# EAGLE board Mk4 Final Panel 8up 2x4 (EAGLE 9.0.1), part 22 of 23 (continued)
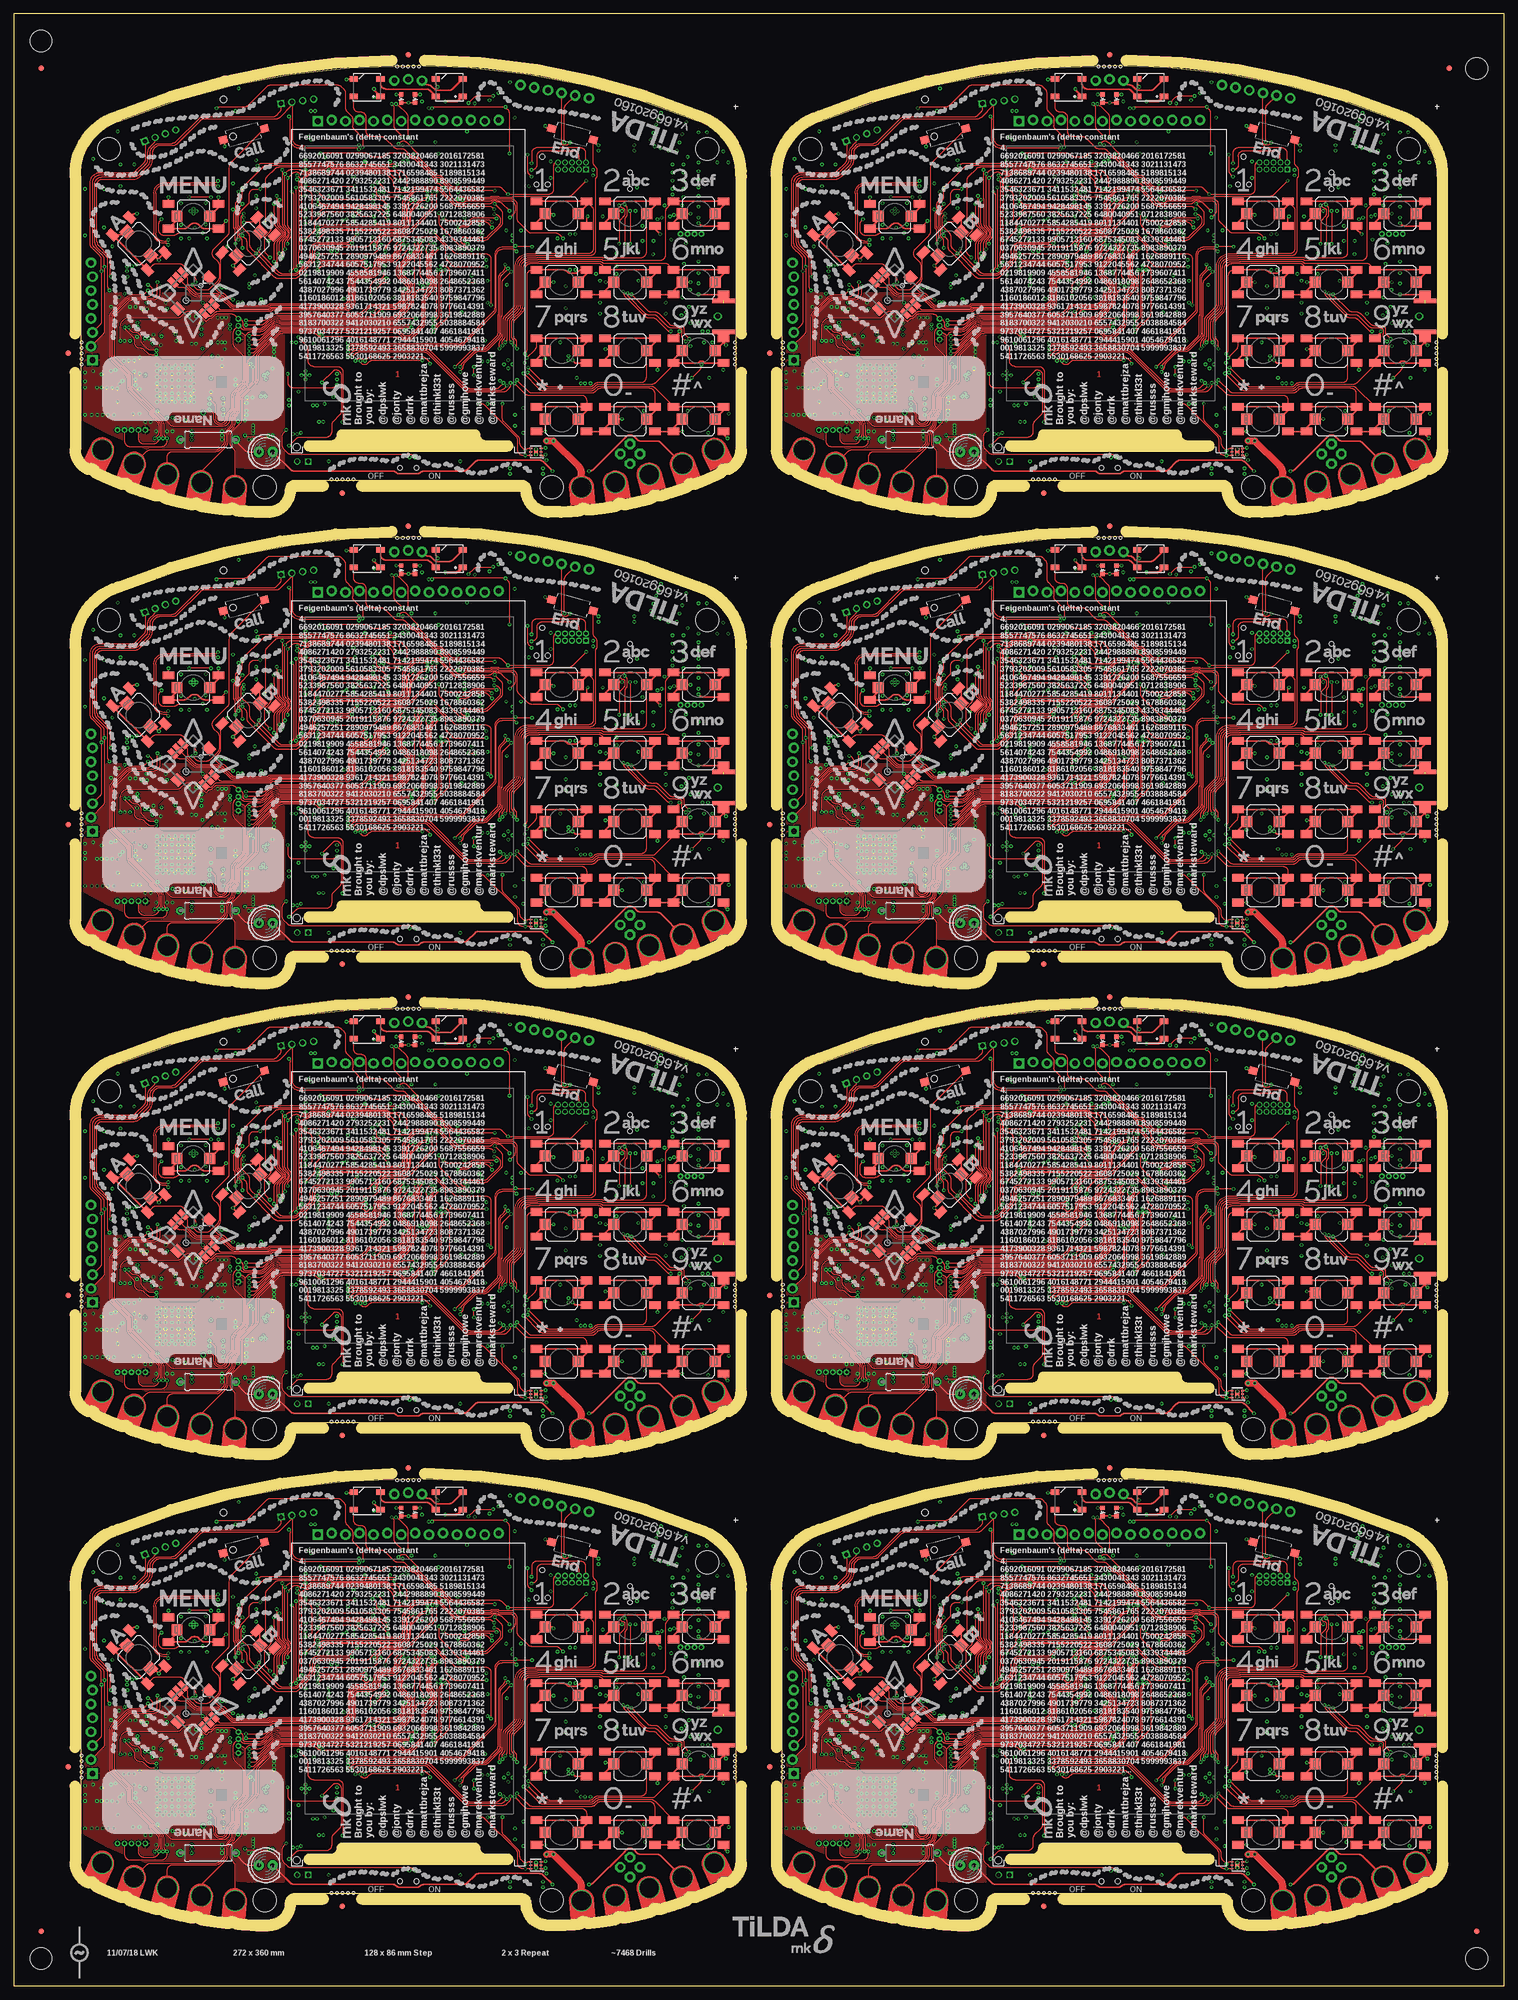
[diagram p0: board, top side]
## Tracks (layer width: path | path; a pad name or v marks a point on that pad's centre or on a via) (continued)
USB_SHIELD6
  Bottom 0.3: U19.SHIELD@5 86.1,345.91 arc45 86.39,346.61 U19.SHIELD@2 | U19.SHIELD@2 83.84,347.72 U19.SHIELD@1 81.59,347.91 81.41,348.09 U19.SHIELD@0 80.96,348.28 U19.SHIELD@3 79.12,347.57 U19.SHIELD | R481.1 88.62,348.5 C670.2 87.04,348.38 U19.SHIELD@2
USB_SHIELD7
  Bottom 0.3: U22.SHIELD@5 214.1,345.91 arc45 214.39,346.61 U22.SHIELD@2 | U22.SHIELD@2 211.84,347.72 U22.SHIELD@1 209.59,347.91 209.41,348.09 U22.SHIELD@0 208.96,348.28 U22.SHIELD@3 207.12,347.57 U22.SHIELD | R559.1 216.62,348.5 C778.2 215.04,348.38 U22.SHIELD@2
V_UNREG  (via drill 0.3)
  Top 0.2: v60,27.45 v60,27.44 60.08,27.52 60.08,36.6 arc90 59.08,37.6 54.75,37.6 arc-90 53.75,38.6 53.75,40.74 arc45 53.46,41.44 v51.95,42.95
  Top 1.25: 103.62,17.38 103.62,18.05 arc45 103.03,19.47 v98.5,24 v97.25,24
  Top 1.5: PCB.VBATT 103.62,17.38
  3V3@2 1.25: v55.7,27.5 v56.5,27.5 56.55,27.45 v60,27.45 85,27.45 87.25,25.2 91.55,25.2 92.75,24 v97.25,24 v98.5,24
  Bottom 0.2: 53.5,33.45 IC8.15 53.5,33 | IC8.16 53,33 | R18.2 arc90 53.05,43.2 52.55,43.2 arc45 v51.95,42.95
  Bottom 0.4: TP18.TP v56.5,27.5
  pour Bottom (no thermals): 47.5,31 47.5,30 arc90 48,29.5 49,29.5 arc-90 49.5,29 49.5,27.5 53,27.5 53.35,27.15 arc45 53.71,27 56.5,27 arc90 57,27.5 arc90 56.5,28 54.12,28 arc-48 53.75,28.17 53.13,28.86 arc-42 53,29.19 53,29.29 arc-45 53.15,29.65 53.4,29.9 arc45 53.55,30.26 53.55,33.45 53.5,33.5 53,33.5 52.7,33.2 52.7,30.45 52.15,29.9 arc-45 51.79,29.75 50.21,29.75 arc-45 49.85,29.9 49.5,30.25 49.5,31
V_UNREG1  (via drill 0.3)
  Top 0.2: v188,27.45 v188,27.44 188.07,27.52 188.07,36.6 arc90 187.07,37.6 182.75,37.6 arc-90 181.75,38.6 181.75,40.74 arc45 181.46,41.44 v179.95,42.95
  Top 1.25: 231.62,17.38 231.62,18.05 arc45 231.03,19.47 v226.5,24 v225.25,24
  Top 1.5: PCB1.VBATT 231.62,17.38
  3V3@2 1.25: v183.7,27.5 v184.5,27.5 184.55,27.45 v188,27.45 213,27.45 215.25,25.2 219.55,25.2 220.75,24 v225.25,24 v226.5,24
  Bottom 0.2: 181.5,33.45 IC24.15 181.5,33 | IC24.16 181,33 | R100.2 arc90 181.05,43.2 180.55,43.2 arc45 v179.95,42.95
  Bottom 0.4: TP37.TP v184.5,27.5
  pour Bottom (no thermals): 175.5,31 175.5,30 arc90 176,29.5 177,29.5 arc-90 177.5,29 177.5,27.5 181,27.5 181.35,27.15 arc45 181.71,27 184.5,27 arc90 185,27.5 arc90 184.5,28 182.12,28 arc-48 181.75,28.17 181.13,28.86 arc-42 181,29.19 181,29.29 arc-45 181.15,29.65 181.4,29.9 arc45 181.55,30.26 181.55,33.45 181.5,33.5 181,33.5 180.7,33.2 180.7,30.45 180.15,29.9 arc-45 179.79,29.75 178.21,29.75 arc-45 177.85,29.9 177.5,30.25 177.5,31
V_UNREG2  (via drill 0.3)
  Top 0.2: v60,113.45 v60,113.44 60.08,113.52 60.08,122.6 arc90 59.08,123.6 54.75,123.6 arc-90 53.75,124.6 53.75,126.74 arc45 53.46,127.44 v51.95,128.95
  Top 1.25: 103.62,103.38 103.62,104.06 arc45 103.03,105.47 v98.5,110 v97.25,110
  Top 1.5: PCB2.VBATT 103.62,103.38
  3V3@2 1.25: v55.7,113.5 v56.5,113.5 56.55,113.45 v60,113.45 85,113.45 87.25,111.2 91.55,111.2 92.75,110 v97.25,110 v98.5,110
  Bottom 0.2: 53.5,119.45 IC42.15 53.5,119 | IC42.16 53,119 | R178.2 arc90 53.05,129.2 52.55,129.2 arc45 v51.95,128.95
  Bottom 0.4: TP56.TP v56.5,113.5
  pour Bottom (no thermals): 47.5,117 47.5,116 arc90 48,115.5 49,115.5 arc-90 49.5,115 49.5,113.5 53,113.5 53.35,113.15 arc45 53.71,113 56.5,113 arc90 57,113.5 arc90 56.5,114 54.12,114 arc-48 53.75,114.17 53.13,114.86 arc-42 53,115.19 53,115.29 arc-45 53.15,115.65 53.4,115.9 arc45 53.55,116.26 53.55,119.45 53.5,119.5 53,119.5 52.7,119.2 52.7,116.45 52.15,115.9 arc-45 51.79,115.75 50.21,115.75 arc-45 49.85,115.9 49.5,116.25 49.5,117
V_UNREG3  (via drill 0.3)
  Top 0.2: v188,113.45 v188,113.44 188.07,113.52 188.07,122.6 arc90 187.07,123.6 182.75,123.6 arc-90 181.75,124.6 181.75,126.74 arc45 181.46,127.44 v179.95,128.95
  Top 1.25: 231.62,103.38 231.62,104.06 arc45 231.03,105.47 v226.5,110 v225.25,110
  Top 1.5: PCB3.VBATT 231.62,103.38
  3V3@2 1.25: v183.7,113.5 v184.5,113.5 184.55,113.45 v188,113.45 213,113.45 215.25,111.2 219.55,111.2 220.75,110 v225.25,110 v226.5,110
  Bottom 0.2: 181.5,119.45 IC60.15 181.5,119 | IC60.16 181,119 | R256.2 arc90 181.05,129.2 180.55,129.2 arc45 v179.95,128.95
  Bottom 0.4: TP75.TP v184.5,113.5
  pour Bottom (no thermals): 175.5,117 175.5,116 arc90 176,115.5 177,115.5 arc-90 177.5,115 177.5,113.5 181,113.5 181.35,113.15 arc45 181.71,113 184.5,113 arc90 185,113.5 arc90 184.5,114 182.12,114 arc-48 181.75,114.17 181.13,114.86 arc-42 181,115.19 181,115.29 arc-45 181.15,115.65 181.4,115.9 arc45 181.55,116.26 181.55,119.45 181.5,119.5 181,119.5 180.7,119.2 180.7,116.45 180.15,115.9 arc-45 179.79,115.75 178.21,115.75 arc-45 177.85,115.9 177.5,116.25 177.5,117
V_UNREG4  (via drill 0.3)
  Top 0.2: v60,199.45 v60,199.44 60.08,199.51 60.08,208.6 arc90 59.08,209.6 54.75,209.6 arc-90 53.75,210.6 53.75,212.74 arc45 53.46,213.44 v51.95,214.95
  Top 1.25: 103.62,189.38 103.62,190.06 arc45 103.03,191.47 v98.5,196 v97.25,196
  Top 1.5: PCB4.VBATT 103.62,189.38
  3V3@2 1.25: v55.7,199.5 v56.5,199.5 56.55,199.45 v60,199.45 85,199.45 87.25,197.2 91.55,197.2 92.75,196 v97.25,196 v98.5,196
  Bottom 0.2: 53.5,205.45 IC78.15 53.5,205 | IC78.16 53,205 | R334.2 arc90 53.05,215.2 52.55,215.2 arc45 v51.95,214.95
  Bottom 0.4: TP94.TP v56.5,199.5
  pour Bottom (no thermals): 47.5,203 47.5,202 arc90 48,201.5 49,201.5 arc-90 49.5,201 49.5,199.5 53,199.5 53.35,199.15 arc45 53.71,199 56.5,199 arc90 57,199.5 arc90 56.5,200 54.12,200 arc-48 53.75,200.17 53.13,200.86 arc-42 53,201.19 53,201.29 arc-45 53.15,201.65 53.4,201.9 arc45 53.55,202.26 53.55,205.45 53.5,205.5 53,205.5 52.7,205.2 52.7,202.45 52.15,201.9 arc-45 51.79,201.75 50.21,201.75 arc-45 49.85,201.9 49.5,202.25 49.5,203
V_UNREG5  (via drill 0.3)
  Top 0.2: v188,199.45 v188,199.44 188.07,199.51 188.07,208.6 arc90 187.07,209.6 182.75,209.6 arc-90 181.75,210.6 181.75,212.74 arc45 181.46,213.44 v179.95,214.95
  Top 1.25: 231.62,189.38 231.62,190.06 arc45 231.03,191.47 v226.5,196 v225.25,196
  Top 1.5: PCB5.VBATT 231.62,189.38
  3V3@2 1.25: v183.7,199.5 v184.5,199.5 184.55,199.45 v188,199.45 213,199.45 215.25,197.2 219.55,197.2 220.75,196 v225.25,196 v226.5,196
  Bottom 0.2: 181.5,205.45 IC96.15 181.5,205 | IC96.16 181,205 | R412.2 arc90 181.05,215.2 180.55,215.2 arc45 v179.95,214.95
  Bottom 0.4: TP113.TP v184.5,199.5
  pour Bottom (no thermals): 175.5,203 175.5,202 arc90 176,201.5 177,201.5 arc-90 177.5,201 177.5,199.5 181,199.5 181.35,199.15 arc45 181.71,199 184.5,199 arc90 185,199.5 arc90 184.5,200 182.12,200 arc-48 181.75,200.17 181.13,200.86 arc-42 181,201.19 181,201.29 arc-45 181.15,201.65 181.4,201.9 arc45 181.55,202.26 181.55,205.45 181.5,205.5 181,205.5 180.7,205.2 180.7,202.45 180.15,201.9 arc-45 179.79,201.75 178.21,201.75 arc-45 177.85,201.9 177.5,202.25 177.5,203
V_UNREG6  (via drill 0.3)
  Top 0.2: v60,285.45 v60,285.44 60.08,285.51 60.08,294.6 arc90 59.08,295.6 54.75,295.6 arc-90 53.75,296.6 53.75,298.74 arc45 53.46,299.44 v51.95,300.95
  Top 1.25: 103.62,275.38 103.62,276.06 arc45 103.03,277.47 v98.5,282 v97.25,282
  Top 1.5: PCB6.VBATT 103.62,275.38
  3V3@2 1.25: v55.7,285.5 v56.5,285.5 56.55,285.45 v60,285.45 85,285.45 87.25,283.2 91.55,283.2 92.75,282 v97.25,282 v98.5,282
  Bottom 0.2: 53.5,291.45 IC114.15 53.5,291 | IC114.16 53,291 | R490.2 arc90 53.05,301.2 52.55,301.2 arc45 v51.95,300.95
  Bottom 0.4: TP132.TP v56.5,285.5
  pour Bottom (no thermals): 47.5,289 47.5,288 arc90 48,287.5 49,287.5 arc-90 49.5,287 49.5,285.5 53,285.5 53.35,285.15 arc45 53.71,285 56.5,285 arc90 57,285.5 arc90 56.5,286 54.12,286 arc-48 53.75,286.17 53.13,286.86 arc-42 53,287.19 53,287.29 arc-45 53.15,287.65 53.4,287.9 arc45 53.55,288.26 53.55,291.45 53.5,291.5 53,291.5 52.7,291.2 52.7,288.45 52.15,287.9 arc-45 51.79,287.75 50.21,287.75 arc-45 49.85,287.9 49.5,288.25 49.5,289
V_UNREG7  (via drill 0.3)
  Top 0.2: v188,285.45 v188,285.44 188.07,285.51 188.07,294.6 arc90 187.07,295.6 182.75,295.6 arc-90 181.75,296.6 181.75,298.74 arc45 181.46,299.44 v179.95,300.95
  Top 1.25: 231.62,275.38 231.62,276.06 arc45 231.03,277.47 v226.5,282 v225.25,282
  Top 1.5: PCB7.VBATT 231.62,275.38
  3V3@2 1.25: v183.7,285.5 v184.5,285.5 184.55,285.45 v188,285.45 213,285.45 215.25,283.2 219.55,283.2 220.75,282 v225.25,282 v226.5,282
  Bottom 0.2: 181.5,291.45 IC132.15 181.5,291 | IC132.16 181,291 | R568.2 arc90 181.05,301.2 180.55,301.2 arc45 v179.95,300.95
  Bottom 0.4: TP151.TP v184.5,285.5
  pour Bottom (no thermals): 175.5,289 175.5,288 arc90 176,287.5 177,287.5 arc-90 177.5,287 177.5,285.5 181,285.5 181.35,285.15 arc45 181.71,285 184.5,285 arc90 185,285.5 arc90 184.5,286 182.12,286 arc-48 181.75,286.17 181.13,286.86 arc-42 181,287.19 181,287.29 arc-45 181.15,287.65 181.4,287.9 arc45 181.55,288.26 181.55,291.45 181.5,291.5 181,291.5 180.7,291.2 180.7,288.45 180.15,287.9 arc-45 179.79,287.75 178.21,287.75 arc-45 177.85,287.9 177.5,288.25 177.5,289
VBAT  (via drill 0.3)
  Bottom 0.15: IC8.14 54,33.35 | 54.8,32 C35.1 | IC8.13 54.5,33.35
  Bottom 0.4: TP14.TP 55.64,29.36 arc-45 55.35,30.06 v55.35,30.5
  Bottom 1: J5.2 93.15,28.8 C34.1 | C34.1 91.6,28.65 v91.5,28.75 | C34.1 v93,30
  other vias: 54.6,30.5
  pour Bottom (no thermals): 54,33.55 54,30.2 54.2,30 55.5,30 55.75,30.3 55.75,30.75 55.25,31.25 55.25,32.9 54.6,33.55
  pour 3V3@2 (no thermals): 92.5,28 55.6,28 54.35,29.25 54.35,30.55 54.6,30.8 55.4,30.8 56.1,30 91,30 91.5,30.5 93,30.5 93.5,30 93.5,29
VBAT1  (via drill 0.3)
  Bottom 0.15: IC24.14 182,33.35 | 182.8,32 C147.1 | IC24.13 182.5,33.35
  Bottom 0.4: TP33.TP 183.64,29.36 arc-45 183.35,30.06 v183.35,30.5
  Bottom 1: J12.2 221.15,28.8 C146.1 | C146.1 219.6,28.65 v219.5,28.75 | C146.1 v221,30
  other vias: 182.6,30.5
  pour Bottom (no thermals): 182,33.55 182,30.2 182.2,30 183.5,30 183.75,30.3 183.75,30.75 183.25,31.25 183.25,32.9 182.6,33.55
  pour 3V3@2 (no thermals): 220.5,28 183.6,28 182.35,29.25 182.35,30.55 182.6,30.8 183.4,30.8 184.1,30 219,30 219.5,30.5 221,30.5 221.5,30 221.5,29
VBAT2  (via drill 0.3)
  Bottom 0.15: IC42.14 54,119.35 | 54.8,118 C255.1 | IC42.13 54.5,119.35
  Bottom 0.4: TP52.TP 55.64,115.36 arc-45 55.35,116.06 v55.35,116.5
  Bottom 1: J22.2 93.15,114.8 C254.1 | C254.1 91.6,114.65 v91.5,114.75 | C254.1 v93,116
  other vias: 54.6,116.5
  pour Bottom (no thermals): 54,119.55 54,116.2 54.2,116 55.5,116 55.75,116.3 55.75,116.75 55.25,117.25 55.25,118.9 54.6,119.55
  pour 3V3@2 (no thermals): 92.5,114 55.6,114 54.35,115.25 54.35,116.55 54.6,116.8 55.4,116.8 56.1,116 91,116 91.5,116.5 93,116.5 93.5,116 93.5,115
VBAT3  (via drill 0.3)
  Bottom 0.15: IC60.14 182,119.35 | 182.8,118 C363.1 | IC60.13 182.5,119.35
  Bottom 0.4: TP71.TP 183.64,115.36 arc-45 183.35,116.06 v183.35,116.5
  Bottom 1: J32.2 221.15,114.8 C362.1 | C362.1 219.6,114.65 v219.5,114.75 | C362.1 v221,116
  other vias: 182.6,116.5
  pour Bottom (no thermals): 182,119.55 182,116.2 182.2,116 183.5,116 183.75,116.3 183.75,116.75 183.25,117.25 183.25,118.9 182.6,119.55
  pour 3V3@2 (no thermals): 220.5,114 183.6,114 182.35,115.25 182.35,116.55 182.6,116.8 183.4,116.8 184.1,116 219,116 219.5,116.5 221,116.5 221.5,116 221.5,115
VBAT4  (via drill 0.3)
  Bottom 0.15: IC78.14 54,205.35 | 54.8,204 C471.1 | IC78.13 54.5,205.35
  Bottom 0.4: TP90.TP 55.64,201.36 arc-45 55.35,202.06 v55.35,202.5
  Bottom 1: J42.2 93.15,200.8 C470.1 | C470.1 91.6,200.65 v91.5,200.75 | C470.1 v93,202
  other vias: 54.6,202.5
  pour Bottom (no thermals): 54,205.55 54,202.2 54.2,202 55.5,202 55.75,202.3 55.75,202.75 55.25,203.25 55.25,204.9 54.6,205.55
  pour 3V3@2 (no thermals): 92.5,200 55.6,200 54.35,201.25 54.35,202.55 54.6,202.8 55.4,202.8 56.1,202 91,202 91.5,202.5 93,202.5 93.5,202 93.5,201
VBAT5  (via drill 0.3)
  Bottom 0.15: IC96.14 182,205.35 | 182.8,204 C579.1 | IC96.13 182.5,205.35
  Bottom 0.4: TP109.TP 183.64,201.36 arc-45 183.35,202.06 v183.35,202.5
  Bottom 1: J52.2 221.15,200.8 C578.1 | C578.1 219.6,200.65 v219.5,200.75 | C578.1 v221,202
  other vias: 182.6,202.5
  pour Bottom (no thermals): 182,205.55 182,202.2 182.2,202 183.5,202 183.75,202.3 183.75,202.75 183.25,203.25 183.25,204.9 182.6,205.55
  pour 3V3@2 (no thermals): 220.5,200 183.6,200 182.35,201.25 182.35,202.55 182.6,202.8 183.4,202.8 184.1,202 219,202 219.5,202.5 221,202.5 221.5,202 221.5,201
VBAT6  (via drill 0.3)
  Bottom 0.15: IC114.14 54,291.35 | 54.8,290 C687.1 | IC114.13 54.5,291.35
  Bottom 0.4: TP128.TP 55.64,287.36 arc-45 55.35,288.06 v55.35,288.5
  Bottom 1: J62.2 93.15,286.8 C686.1 | C686.1 91.6,286.65 v91.5,286.75 | C686.1 v93,288
  other vias: 54.6,288.5
  pour Bottom (no thermals): 54,291.55 54,288.2 54.2,288 55.5,288 55.75,288.3 55.75,288.75 55.25,289.25 55.25,290.9 54.6,291.55
  pour 3V3@2 (no thermals): 92.5,286 55.6,286 54.35,287.25 54.35,288.55 54.6,288.8 55.4,288.8 56.1,288 91,288 91.5,288.5 93,288.5 93.5,288 93.5,287
VBAT7  (via drill 0.3)
  Bottom 0.15: IC132.14 182,291.35 | 182.8,290 C795.1 | IC132.13 182.5,291.35
  Bottom 0.4: TP147.TP 183.64,287.36 arc-45 183.35,288.06 v183.35,288.5
  Bottom 1: J72.2 221.15,286.8 C794.1 | C794.1 219.6,286.65 v219.5,286.75 | C794.1 v221,288
  other vias: 182.6,288.5
  pour Bottom (no thermals): 182,291.55 182,288.2 182.2,288 183.5,288 183.75,288.3 183.75,288.75 183.25,289.25 183.25,290.9 182.6,291.55
  pour 3V3@2 (no thermals): 220.5,286 183.6,286 182.35,287.25 182.35,288.55 182.6,288.8 183.4,288.8 184.1,288 219,288 219.5,288.5 221,288.5 221.5,288 221.5,287
VBATT  (via drill 0.3)
  Top 0.15: v42.2,25 arc45 42.68,24.8 46.3,24.8 v46.5,25
  Top 0.5: LED2.1 81.34,86.29 arc-45 80.64,86 v78.75,86 | LED1.1 65.75,88.1 v65.75,88.25
  3V3@2 0.5: 71.25,88.25 76.5,88.25 v78.75,86
  3V3@2 1: JP2.2 72,89 71.25,88.25 v65.75,88.25 47.5,88.25 44.5,85.25 44.5,78 43,76.5 v43,52.65 v43,52.05 | v47.25,25 v46.5,25 46.5,30.41 47.2,31.11 47.2,32.55 44.62,35.12 44.62,36.62 45.5,37.5 v45.5,49.3 45.5,49.5 v45.15,49.85
  Bottom 0.25: IC9.1 42.96,25.35 arc45 42.26,25.06 v42.2,25
  Bottom 0.4: TP15.TP v52.4,25.5
  Bottom 0.5: C1.1 66.62,88.25 v65.75,88.25
  Bottom 1: v43,52.65 v43,52.05 43,52 v45.15,49.85 45.5,49.5 v45.5,49.3
  other vias: 51.75,25.25 51,25.25 105.25,34.5 102.75,35.5 104.25,34.5 103.5,34.5
  pour Bottom (no thermals): 51.35,26.4 52.8,26.4 52.8,25.05 arc-90 52.3,24.55 46.65,24.55 46.65,25.5 50.85,25.5 arc90 51.35,26
  pour Bottom (no thermals): 105.09,34.25 103.25,34.25 arc-90 102.25,35.25 102.25,36 arc-90 103.25,37 113,37 arc90 114,38 114,41.25 arc-90 115,42.25 115.25,42.25 115.5,42.5 115.5,45 117,45 117,42.8 arc-90 116,41.8 115.75,41.8 arc90 114.75,40.8 114.75,36 arc-90 113.75,35 106.66,35 arc45 105.96,34.71 105.79,34.54 arc-45
  pour 3V3@2 (no thermals): 104,37.5 106.5,37.5 107.5,36.5 107.5,35 107,34.5 97.5,34.5 95.5,32.5 54,32.5 52.8,31.4 52.8,25.6 52.3,25 51,25 50.75,25.25 50.75,32.5 52.25,34 94,34 96.5,36.5 103,36.5
  pour Bottom (no thermals): 44.2,25.9 44.2,25.8 44.75,25.8 45.1,25.45 45.1,25.05 arc90 45.6,24.55 46.8,24.55 46.8,25.5 46.15,25.5 45.8,25.85 45,25.85 44.95,25.9
VBATT1  (via drill 0.3)
  Top 0.15: v170.2,25 arc45 170.68,24.8 174.3,24.8 v174.5,25
  Top 0.5: LED8.1 209.34,86.29 arc-45 208.64,86 v206.75,86 | LED7.1 193.75,88.1 v193.75,88.25
  3V3@2 0.5: 199.25,88.25 204.5,88.25 v206.75,86
  3V3@2 1: JP11.2 200,89 199.25,88.25 v193.75,88.25 175.5,88.25 172.5,85.25 172.5,78 171,76.5 v171,52.65 v171,52.05 | v175.25,25 v174.5,25 174.5,30.41 175.2,31.11 175.2,32.55 172.62,35.12 172.62,36.62 173.5,37.5 v173.5,49.3 173.5,49.5 v173.15,49.85
  Bottom 0.25: IC33.1 170.96,25.35 arc45 170.26,25.06 v170.2,25
  Bottom 0.4: TP34.TP v180.4,25.5
  Bottom 0.5: C111.1 194.62,88.25 v193.75,88.25
  Bottom 1: v171,52.65 v171,52.05 171,52 v173.15,49.85 173.5,49.5 v173.5,49.3
  other vias: 179.75,25.25 179,25.25 233.25,34.5 230.75,35.5 232.25,34.5 231.5,34.5
  pour Bottom (no thermals): 179.35,26.4 180.8,26.4 180.8,25.05 arc-90 180.3,24.55 174.65,24.55 174.65,25.5 178.85,25.5 arc90 179.35,26
  pour Bottom (no thermals): 233.09,34.25 231.25,34.25 arc-90 230.25,35.25 230.25,36 arc-90 231.25,37 241,37 arc90 242,38 242,41.25 arc-90 243,42.25 243.25,42.25 243.5,42.5 243.5,45 245,45 245,42.8 arc-90 244,41.8 243.75,41.8 arc90 242.75,40.8 242.75,36 arc-90 241.75,35 234.66,35 arc45 233.96,34.71 233.79,34.54 arc-45
  pour 3V3@2 (no thermals): 232,37.5 234.5,37.5 235.5,36.5 235.5,35 235,34.5 225.5,34.5 223.5,32.5 182,32.5 180.8,31.4 180.8,25.6 180.3,25 179,25 178.75,25.25 178.75,32.5 180.25,34 222,34 224.5,36.5 231,36.5
  pour Bottom (no thermals): 172.2,25.9 172.2,25.8 172.75,25.8 173.1,25.45 173.1,25.05 arc90 173.6,24.55 174.8,24.55 174.8,25.5 174.15,25.5 173.8,25.85 173,25.85 172.95,25.9
VBATT2  (via drill 0.3)
  Top 0.15: v42.2,111 arc45 42.68,110.8 46.3,110.8 v46.5,111
  Top 0.5: LED14.1 81.34,172.29 arc-45 80.64,172 v78.75,172 | LED13.1 65.75,174.1 v65.75,174.25
  3V3@2 0.5: 71.25,174.25 76.5,174.25 v78.75,172
  3V3@2 1: JP20.2 72,175 71.25,174.25 v65.75,174.25 47.5,174.25 44.5,171.25 44.5,164 43,162.5 v43,138.65 v43,138.05 | v47.25,111 v46.5,111 46.5,116.41 47.2,117.11 47.2,118.55 44.62,121.12 44.62,122.62 45.5,123.5 v45.5,135.3 45.5,135.5 v45.15,135.85
  Bottom 0.25: IC51.1 42.96,111.35 arc45 42.26,111.06 v42.2,111
  Bottom 0.4: TP53.TP v52.4,111.5
  Bottom 0.5: C219.1 66.62,174.25 v65.75,174.25
  Bottom 1: v43,138.65 v43,138.05 43,138 v45.15,135.85 45.5,135.5 v45.5,135.3
  other vias: 51.75,111.25 51,111.25 105.25,120.5 102.75,121.5 104.25,120.5 103.5,120.5
  pour Bottom (no thermals): 51.35,112.4 52.8,112.4 52.8,111.05 arc-90 52.3,110.55 46.65,110.55 46.65,111.5 50.85,111.5 arc90 51.35,112
  pour Bottom (no thermals): 105.09,120.25 103.25,120.25 arc-90 102.25,121.25 102.25,122 arc-90 103.25,123 113,123 arc90 114,124 114,127.25 arc-90 115,128.25 115.25,128.25 115.5,128.5 115.5,131 117,131 117,128.8 arc-90 116,127.8 115.75,127.8 arc90 114.75,126.8 114.75,122 arc-90 113.75,121 106.66,121 arc45 105.96,120.71 105.79,120.54 arc-45
  pour 3V3@2 (no thermals): 104,123.5 106.5,123.5 107.5,122.5 107.5,121 107,120.5 97.5,120.5 95.5,118.5 54,118.5 52.8,117.4 52.8,111.6 52.3,111 51,111 50.75,111.25 50.75,118.5 52.25,120 94,120 96.5,122.5 103,122.5
  pour Bottom (no thermals): 44.2,111.9 44.2,111.8 44.75,111.8 45.1,111.45 45.1,111.05 arc90 45.6,110.55 46.8,110.55 46.8,111.5 46.15,111.5 45.8,111.85 45,111.85 44.95,111.9
VBATT3  (via drill 0.3)
  Top 0.15: v170.2,111 arc45 170.68,110.8 174.3,110.8 v174.5,111
  Top 0.5: LED20.1 209.34,172.29 arc-45 208.64,172 v206.75,172 | LED19.1 193.75,174.1 v193.75,174.25
  3V3@2 0.5: 199.25,174.25 204.5,174.25 v206.75,172
  3V3@2 1: JP29.2 200,175 199.25,174.25 v193.75,174.25 175.5,174.25 172.5,171.25 172.5,164 171,162.5 v171,138.65 v171,138.05 | v175.25,111 v174.5,111 174.5,116.41 175.2,117.11 175.2,118.55 172.62,121.12 172.62,122.62 173.5,123.5 v173.5,135.3 173.5,135.5 v173.15,135.85
  Bottom 0.25: IC69.1 170.96,111.35 arc45 170.26,111.06 v170.2,111
  Bottom 0.4: TP72.TP v180.4,111.5
  Bottom 0.5: C327.1 194.62,174.25 v193.75,174.25
  Bottom 1: v171,138.65 v171,138.05 171,138 v173.15,135.85 173.5,135.5 v173.5,135.3
  other vias: 179.75,111.25 179,111.25 233.25,120.5 230.75,121.5 232.25,120.5 231.5,120.5
  pour Bottom (no thermals): 179.35,112.4 180.8,112.4 180.8,111.05 arc-90 180.3,110.55 174.65,110.55 174.65,111.5 178.85,111.5 arc90 179.35,112
  pour Bottom (no thermals): 233.09,120.25 231.25,120.25 arc-90 230.25,121.25 230.25,122 arc-90 231.25,123 241,123 arc90 242,124 242,127.25 arc-90 243,128.25 243.25,128.25 243.5,128.5 243.5,131 245,131 245,128.8 arc-90 244,127.8 243.75,127.8 arc90 242.75,126.8 242.75,122 arc-90 241.75,121 234.66,121 arc45 233.96,120.71 233.79,120.54 arc-45
  pour 3V3@2 (no thermals): 232,123.5 234.5,123.5 235.5,122.5 235.5,121 235,120.5 225.5,120.5 223.5,118.5 182,118.5 180.8,117.4 180.8,111.6 180.3,111 179,111 178.75,111.25 178.75,118.5 180.25,120 222,120 224.5,122.5 231,122.5
  pour Bottom (no thermals): 172.2,111.9 172.2,111.8 172.75,111.8 173.1,111.45 173.1,111.05 arc90 173.6,110.55 174.8,110.55 174.8,111.5 174.15,111.5 173.8,111.85 173,111.85 172.95,111.9
VBATT4  (via drill 0.3)
  Top 0.15: v42.2,197 arc45 42.68,196.8 46.3,196.8 v46.5,197
  Top 0.5: LED26.1 81.34,258.29 arc-45 80.64,258 v78.75,258 | LED25.1 65.75,260.1 v65.75,260.25
  3V3@2 0.5: 71.25,260.25 76.5,260.25 v78.75,258
  3V3@2 1: JP38.2 72,261 71.25,260.25 v65.75,260.25 47.5,260.25 44.5,257.25 44.5,250 43,248.5 v43,224.65 v43,224.05 | v47.25,197 v46.5,197 46.5,202.41 47.2,203.11 47.2,204.55 44.62,207.12 44.62,208.62 45.5,209.5 v45.5,221.3 45.5,221.5 v45.15,221.85
  Bottom 0.25: IC87.1 42.96,197.35 arc45 42.26,197.06 v42.2,197
  Bottom 0.4: TP91.TP v52.4,197.5
  Bottom 0.5: C435.1 66.62,260.25 v65.75,260.25
  Bottom 1: v43,224.65 v43,224.05 43,224 v45.15,221.85 45.5,221.5 v45.5,221.3
  other vias: 51.75,197.25 51,197.25 105.25,206.5 102.75,207.5 104.25,206.5 103.5,206.5
  pour Bottom (no thermals): 51.35,198.4 52.8,198.4 52.8,197.05 arc-90 52.3,196.55 46.65,196.55 46.65,197.5 50.85,197.5 arc90 51.35,198
  pour Bottom (no thermals): 105.09,206.25 103.25,206.25 arc-90 102.25,207.25 102.25,208 arc-90 103.25,209 113,209 arc90 114,210 114,213.25 arc-90 115,214.25 115.25,214.25 115.5,214.5 115.5,217 117,217 117,214.8 arc-90 116,213.8 115.75,213.8 arc90 114.75,212.8 114.75,208 arc-90 113.75,207 106.66,207 arc45 105.96,206.71 105.79,206.54 arc-45
  pour 3V3@2 (no thermals): 104,209.5 106.5,209.5 107.5,208.5 107.5,207 107,206.5 97.5,206.5 95.5,204.5 54,204.5 52.8,203.4 52.8,197.6 52.3,197 51,197 50.75,197.25 50.75,204.5 52.25,206 94,206 96.5,208.5 103,208.5
  pour Bottom (no thermals): 44.2,197.9 44.2,197.8 44.75,197.8 45.1,197.45 45.1,197.05 arc90 45.6,196.55 46.8,196.55 46.8,197.5 46.15,197.5 45.8,197.85 45,197.85 44.95,197.9
VBATT5  (via drill 0.3)
  Top 0.15: v170.2,197 arc45 170.68,196.8 174.3,196.8 v174.5,197
  Top 0.5: LED32.1 209.34,258.29 arc-45 208.64,258 v206.75,258 | LED31.1 193.75,260.1 v193.75,260.25
  3V3@2 0.5: 199.25,260.25 204.5,260.25 v206.75,258
  3V3@2 1: JP47.2 200,261 199.25,260.25 v193.75,260.25 175.5,260.25 172.5,257.25 172.5,250 171,248.5 v171,224.65 v171,224.05 | v175.25,197 v174.5,197 174.5,202.41 175.2,203.11 175.2,204.55 172.62,207.12 172.62,208.62 173.5,209.5 v173.5,221.3 173.5,221.5 v173.15,221.85
  Bottom 0.25: IC105.1 170.96,197.35 arc45 170.26,197.06 v170.2,197
  Bottom 0.4: TP110.TP v180.4,197.5
  Bottom 0.5: C543.1 194.62,260.25 v193.75,260.25
  Bottom 1: v171,224.65 v171,224.05 171,224 v173.15,221.85 173.5,221.5 v173.5,221.3
  other vias: 179.75,197.25 179,197.25 233.25,206.5 230.75,207.5 232.25,206.5 231.5,206.5
  pour Bottom (no thermals): 179.35,198.4 180.8,198.4 180.8,197.05 arc-90 180.3,196.55 174.65,196.55 174.65,197.5 178.85,197.5 arc90 179.35,198
  pour Bottom (no thermals): 233.09,206.25 231.25,206.25 arc-90 230.25,207.25 230.25,208 arc-90 231.25,209 241,209 arc90 242,210 242,213.25 arc-90 243,214.25 243.25,214.25 243.5,214.5 243.5,217 245,217 245,214.8 arc-90 244,213.8 243.75,213.8 arc90 242.75,212.8 242.75,208 arc-90 241.75,207 234.66,207 arc45 233.96,206.71 233.79,206.54 arc-45
  pour 3V3@2 (no thermals): 232,209.5 234.5,209.5 235.5,208.5 235.5,207 235,206.5 225.5,206.5 223.5,204.5 182,204.5 180.8,203.4 180.8,197.6 180.3,197 179,197 178.75,197.25 178.75,204.5 180.25,206 222,206 224.5,208.5 231,208.5
  pour Bottom (no thermals): 172.2,197.9 172.2,197.8 172.75,197.8 173.1,197.45 173.1,197.05 arc90 173.6,196.55 174.8,196.55 174.8,197.5 174.15,197.5 173.8,197.85 173,197.85 172.95,197.9
VBATT6  (via drill 0.3)
  Top 0.15: v42.2,283 arc45 42.68,282.8 46.3,282.8 v46.5,283
  Top 0.5: LED38.1 81.34,344.29 arc-45 80.64,344 v78.75,344 | LED37.1 65.75,346.1 v65.75,346.25
  3V3@2 0.5: 71.25,346.25 76.5,346.25 v78.75,344
  3V3@2 1: JP56.2 72,347 71.25,346.25 v65.75,346.25 47.5,346.25 44.5,343.25 44.5,336 43,334.5 v43,310.65 v43,310.05 | v47.25,283 v46.5,283 46.5,288.41 47.2,289.11 47.2,290.55 44.62,293.12 44.62,294.62 45.5,295.5 v45.5,307.3 45.5,307.5 v45.15,307.85
  Bottom 0.25: IC123.1 42.96,283.35 arc45 42.26,283.06 v42.2,283
  Bottom 0.4: TP129.TP v52.4,283.5
  Bottom 0.5: C651.1 66.62,346.25 v65.75,346.25
  Bottom 1: v43,310.65 v43,310.05 43,310 v45.15,307.85 45.5,307.5 v45.5,307.3
  other vias: 51.75,283.25 51,283.25 105.25,292.5 102.75,293.5 104.25,292.5 103.5,292.5
  pour Bottom (no thermals): 51.35,284.4 52.8,284.4 52.8,283.05 arc-90 52.3,282.55 46.65,282.55 46.65,283.5 50.85,283.5 arc90 51.35,284
  pour Bottom (no thermals): 105.09,292.25 103.25,292.25 arc-90 102.25,293.25 102.25,294 arc-90 103.25,295 113,295 arc90 114,296 114,299.25 arc-90 115,300.25 115.25,300.25 115.5,300.5 115.5,303 117,303 117,300.8 arc-90 116,299.8 115.75,299.8 arc90 114.75,298.8 114.75,294 arc-90 113.75,293 106.66,293 arc45 105.96,292.71 105.79,292.54 arc-45
  pour 3V3@2 (no thermals): 104,295.5 106.5,295.5 107.5,294.5 107.5,293 107,292.5 97.5,292.5 95.5,290.5 54,290.5 52.8,289.4 52.8,283.6 52.3,283 51,283 50.75,283.25 50.75,290.5 52.25,292 94,292 96.5,294.5 103,294.5
  pour Bottom (no thermals): 44.2,283.9 44.2,283.8 44.75,283.8 45.1,283.45 45.1,283.05 arc90 45.6,282.55 46.8,282.55 46.8,283.5 46.15,283.5 45.8,283.85 45,283.85 44.95,283.9
VBATT7  (via drill 0.3)
  Top 0.15: v170.2,283 arc45 170.68,282.8 174.3,282.8 v174.5,283